# Altium PCB DRS4-PCB.PcbDoc (part 4 of 15)
Units mil, origin at the board's own origin, x right, y up, seen from the top; angles counter-clockwise.
Board outline 12350 x 7411.06 mil, 12 copper layers (Top Layer, Ground Layer 2, Signal Layer 3, Signal Layer 4, Ground Layer 5, Power Layer 6, Ground Layer 7, Ground Layer 8, Power Layer 9, Power Layer 10, Ground Layer 11, Bottom Layer), stack 61.6 mil thick; 1411 components, 1117 nets, 4255 pads, 2550 vias.
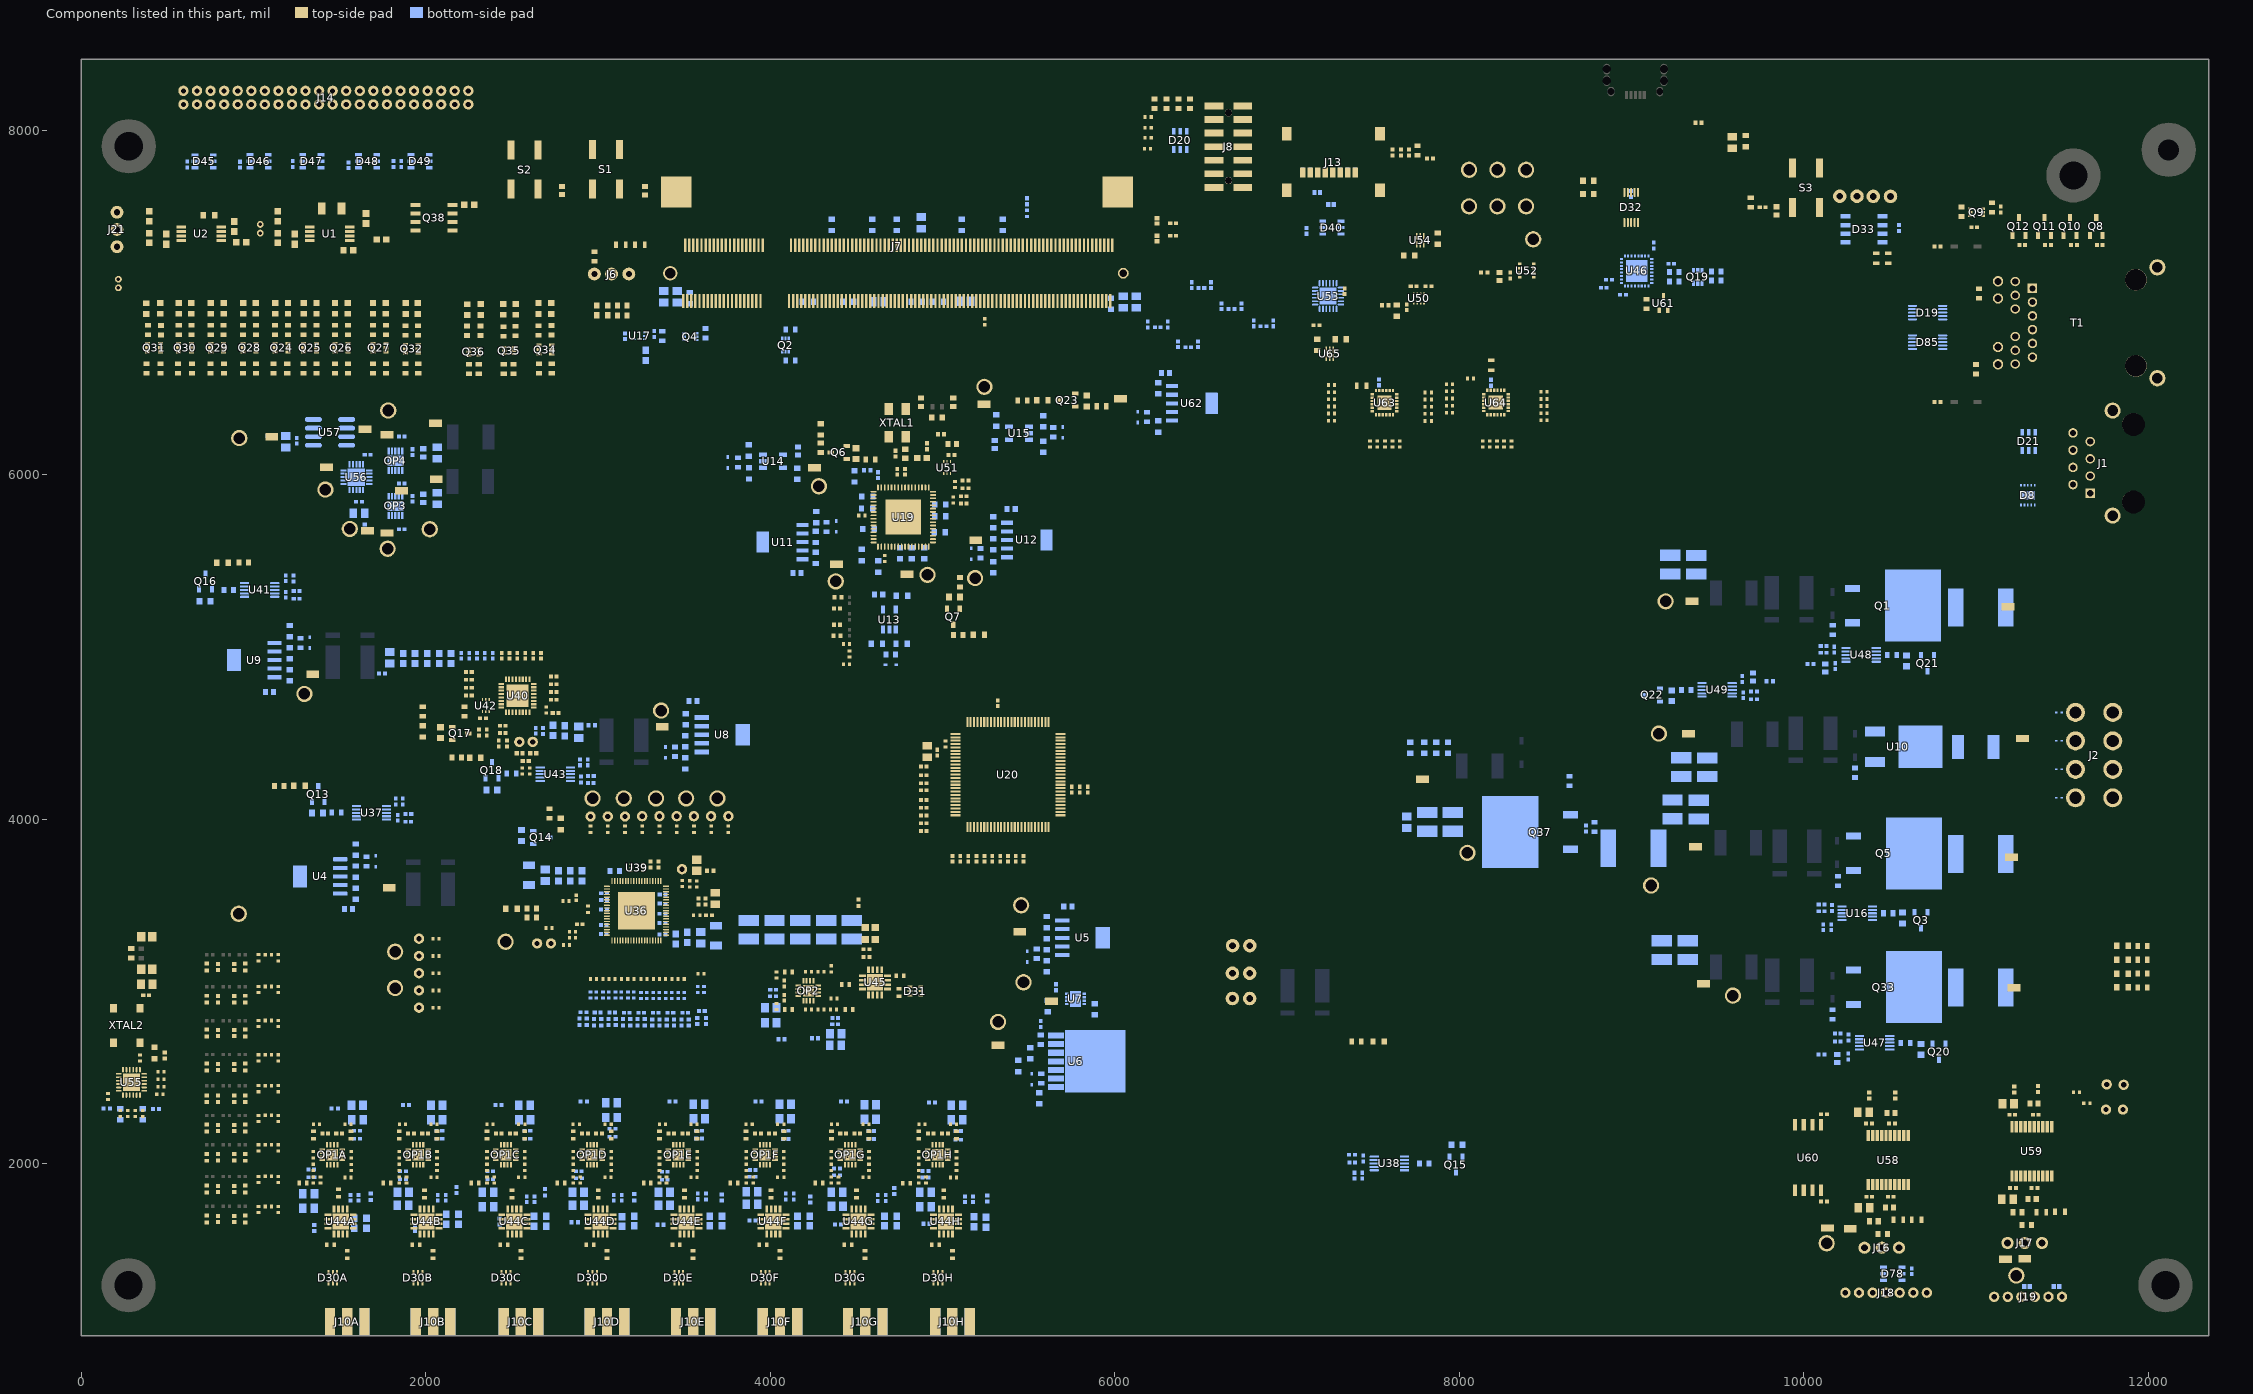
[diagram p14: the components of this part, seen from the top]

## Components (designator, comment, footprint, x,y, rotation, side; value= is the part's Value field where it differs from the comment) (continued)
R336 "1K1 1% 0402" RESC0402(1005)_L#1 8491.61,6398.19 r0 top value="1100.00 Ohm"
R337 "1K1 1% 0402" RESC0402(1005)_L#1 8491.61,6356.85 r0 top value="1100.00 Ohm"
R338 "1K1 1% 0402" RESC0402(1005)_L#1 8491.61,6315.51 r0 top value="1100.00 Ohm"
R339 "1K1 1% 0402" RESC0402(1005)_L#1 8302.67,6177.48 r270 top value="1100.00 Ohm"
R340 "20K 1% 0603" RESC0603(1608)_L 6436.43,8153.35 r90 top value="20000.00 Ohm"
R341 "20K 1% 0603" RESC0603(1608)_L 6299.75,8153.35 r90 top value="20000.00 Ohm"
R342 "49R9 1% 0402" RESC0402(1005)_L#1 5490,7517.4 r90 bottom value="49.90 Ohm"
R343 "1K1 1% 0402" RESC0402(1005)_L#1 2058.14,3106.08 r180 top value="1100.00 Ohm"
R344 "1K1 1% 0402" RESC0402(1005)_L#1 2058.14,3006.08 r180 top value="1100.00 Ohm"
R345 "100R 5% 0402" RESC0402(1005)_L#1 3265.47,3072.2 r0 top value="100.00 Ohm"
R346 "100R 5% 0402" RESC0402(1005)_L#1 3337.8,3072.2 r0 top value="100.00 Ohm"
R347 "100R 5% 0402" RESC0402(1005)_L#1 3409.92,3072.2 r0 top value="100.00 Ohm"
R348 "100R 5% 0402" RESC0402(1005)_L#1 3482.05,3072.2 r0 top value="100.00 Ohm"
R349 "100R 5% 0402" RESC0402(1005)_L#1 3597.14,3102.66 r0 top value="100.00 Ohm"
R350 "33R 1% 0402(1005)" RESC0402(1005)_L#1 356.79,2292.44 r270 top value="33.00 Ohm"
R351 "33R 1% 0402(1005)" RESC0402(1005)_L#1 313.32,2292.44 r270 top value="33.00 Ohm"
R352 "33R 1% 0402(1005)" RESC0402(1005)_L#1 269.84,2292.44 r270 top value="33.00 Ohm"
R353 "33R 1% 0402(1005)" RESC0402(1005)_L#1 226.37,2292.44 r270 top value="33.00 Ohm"
R354 "33R 1% 0402(1005)" RESC0402(1005)_L#1 154.77,2390.1 r270 top value="33.00 Ohm"
R355 "33R 1% 0402(1005)" RESC0402(1005)_L#1 463.2,2533.26 r0 top value="33.00 Ohm"
R356 "33R 1% 0402(1005)" RESC0402(1005)_L#1 463.2,2489.79 r0 top value="33.00 Ohm"
R357 "33R 1% 0402(1005)" RESC0402(1005)_L#1 463.2,2446.31 r0 top value="33.00 Ohm"
R358 "33R 1% 0402(1005)" RESC0402(1005)_L#1 455.12,2402.79 r0 top value="33.00 Ohm"
R359 "RES_DNP_0603" RES_DNP_0603 8185.67,6635.23 r270 top
R360 "Res_ROHM_SFR01MZPF20R0_20_Ohm" Res_ROHM_SFR01MZPF20R0_20_Ohm 5243.98,6887.78 r270 top
R361 "22R 1% 0402" RESC0402(1005)_L#1 2558.66,4280.43 r90 top value="22.00 Ohm"
R362 "100R 5% 0402" RESC0402(1005)_L#1 2814.11,3525.39 r0 top value="100.00 Ohm"
R363 "Res_Vishay_CRCW06030000Z0EAHP_0_Ohm" Res_Vishay_CRCW06030000Z0EAHP_0_Ohm_duplicate 1138.95,7500.87 r90 top
R364 "Res_Vishay_CRCW06030000Z0EAHP_0_Ohm" Res_Vishay_CRCW06030000Z0EAHP_0_Ohm_duplicate 1550.4,7303.27 r180 top
R365 "Res_Vishay_CRCW06030000Z0EAHP_0_Ohm" Res_Vishay_CRCW06030000Z0EAHP_0_Ohm_duplicate 393.55,7500.87 r270 top
R366 "Res_Vishay_CRCW06030000Z0EAHP_0_Ohm" Res_Vishay_CRCW06030000Z0EAHP_0_Ohm_duplicate 927.6,7349.88 r180 top
R367 "Res_Vishay_CRCW06030000Z0EAHP_0_Ohm" Res_Vishay_CRCW06030000Z0EAHP_0_Ohm_duplicate 1138.93,7374.26 r90 top
R368 "Res_Vishay_CRCW06030000Z0EAHP_0_Ohm" Res_Vishay_CRCW06030000Z0EAHP_0_Ohm_duplicate 393.35,7374.25 r90 top
R369 "Res_Vishay_CRCW04020000Z0EDC_0_Ohm" Res_Vishay_CRCW04020000Z0EDC_0_Ohm 6806.85,6878.66 r270 bottom
R370 "Res_Vishay_CRCW04020000Z0EDC_0_Ohm" Res_Vishay_CRCW04020000Z0EDC_0_Ohm 6677.06,6961.48 r180 bottom
R371 "Res_Vishay_CRCW04020000Z0EDC_0_Ohm" Res_Vishay_CRCW04020000Z0EDC_0_Ohm 6734.65,6977.95 r270 bottom
R372 "Res_Vishay_CRCW04020000Z0EDC_0_Ohm" Res_Vishay_CRCW04020000Z0EDC_0_Ohm 6618.91,6978.21 r270 bottom
R373 "Res_Vishay_CRCW04020000Z0EDC_0_Ohm" Res_Vishay_CRCW04020000Z0EDC_0_Ohm 6501.97,7083.93 r180 bottom
R374 "Res_Vishay_CRCW04020000Z0EDC_0_Ohm" Res_Vishay_CRCW04020000Z0EDC_0_Ohm 6558.23,7100.67 r270 bottom
R375 "Res_Vishay_CRCW04020000Z0EDC_0_Ohm" Res_Vishay_CRCW04020000Z0EDC_0_Ohm 6445.63,7100.67 r270 bottom
R376 "Res_Vishay_CRCW04020000Z0EDC_0_Ohm" Res_Vishay_CRCW04020000Z0EDC_0_Ohm 6425.76,6740.11 r180 bottom
R377 "Res_Vishay_CRCW04020000Z0EDC_0_Ohm" Res_Vishay_CRCW04020000Z0EDC_0_Ohm 6482.43,6756.85 r270 bottom
R378 "Res_Vishay_CRCW04020000Z0EDC_0_Ohm" Res_Vishay_CRCW04020000Z0EDC_0_Ohm 6366.68,6756.85 r270 bottom
R379 "Res_Vishay_CRCW04020000Z0EDC_0_Ohm" Res_Vishay_CRCW04020000Z0EDC_0_Ohm 6248.39,6855.81 r180 bottom
R380 "Res_Vishay_CRCW04020000Z0EDC_0_Ohm" Res_Vishay_CRCW04020000Z0EDC_0_Ohm 6306.8,6872.25 r270 bottom
R381 "Res_Vishay_CRCW04020000Z0EDC_0_Ohm" Res_Vishay_CRCW04020000Z0EDC_0_Ohm 6191.06,6872.25 r270 bottom
R382 "1K1 1% 0402" RESC0402(1005)_L#1 7220.47,7756.72 r90 bottom value="1100.00 Ohm"
R383 "1K1 1% 0402" RESC0402(1005)_L#1 7134.62,7756.72 r90 bottom value="1100.00 Ohm"
R384 "1K1 1% 0402" RESC0402(1005)_L#1 7090.55,7756.72 r90 bottom value="1100.00 Ohm"
R385 "1K1 1% 0402" RESC0402(1005)_L#1 7393.61,7756.72 r90 bottom value="1100.00 Ohm"
R386 "1K1 1% 0402" RESC0402(1005)_L#1 7350.21,7756.72 r90 bottom value="1100.00 Ohm"
R387 "1K1 1% 0402" RESC0402(1005)_L#1 7307.09,7756.72 r90 bottom value="1100.00 Ohm"
R388 "Res_Vishay_CRCW06030000Z0EAHP_0_Ohm" Res_Vishay_CRCW06030000Z0EAHP_0_Ohm_duplicate 2251.51,7566.58 r180 top
R389 "Res_Vishay_CRCW06030000Z0EAHP_0_Ohm" Res_Vishay_CRCW06030000Z0EAHP_0_Ohm_duplicate 1742.43,7365.31 r180 top
S1 "SPDT_C&K_KSC421J70SHLFSPF_50mA" SPDT_C&K_KSC421J70SHLFSPF_50mA 2966.44,7659.28 r90 top
S2 "SPDT_C&K_KSC421J70SHLFSPF_50mA" SPDT_C&K_KSC421J70SHLFSPF_50mA 2493.76,7657.4 r90 top
S3 "SPDT_C&K_KSC421J70SHLFSPF_50mA" SPDT_C&K_KSC421J70SHLFSPF_50mA 10091.08,7779.27 r270 top
T1 "7499111221A" 7499111221A 11707.14,6882 r90 top
TP1 "TP_Harwin_S2761_46R" TP_Harwin_S2761_46R#1 11185.61,5233.24 r180 bottom locked
TP2 "TP_Harwin_S2761_46R" TP_Harwin_S2761_46R#2 9349.31,5265.52 r180 top
TP3 "TP_Keystone_Electronics_5006" TP_Keystone_Electronics_5006 9197.13,5264.75 r180 top
TP4 "TP_Harwin_S2761_46R" TP_Harwin_S2761_46R#2 9371.54,3839.8 r0 top
TP5 "TP_Harwin_S2761_46R" TP_Harwin_S2761_46R#3 11205.58,3799.37 r180 bottom locked
TP6 "TP_Keystone_Electronics_5006" TP_Keystone_Electronics_5006 9112.38,3615.04 r0 top
TP7 "TP_Harwin_S2761_46R" TP_Harwin_S2761_46R#4 11328.74,3020.45 r180 bottom locked
TP8 "TP_Harwin_S2761_46R" TP_Harwin_S2761_46R#2 9416.5,3044.24 r0 top
TP9 "TP_Keystone_Electronics_5006" TP_Keystone_Electronics_5006 9587.87,2975.83 r0 top
TP10 "TP_Harwin_S2761_46R" TP_Harwin_S2761_46R#5 1768.21,3602.65 r0 bottom locked
TP11 "TP_Keystone_Electronics_5006" TP_Keystone_Electronics_5006 1821.49,3230.63 r180 top
TP12 "TP_Harwin_S2761_46R" TP_Harwin_S2761_46R#1 5447.32,3346.6 r180 bottom locked
TP13 "TP_Keystone_Electronics_5006" TP_Keystone_Electronics_5006 5455.6,3500.29 r0 top
TP14 "TP_Harwin_S2761_46R" TP_Harwin_S2761_46R#1 5630.96,2942.02 r180 bottom locked
TP15 "TP_Keystone_Electronics_5006" TP_Keystone_Electronics_5006 5469.43,3053.18 r0 top
TP16 "TP_Harwin_S2761_46R" TP_Harwin_S2761_46R#1 5321.04,2688.33 r180 bottom locked
TP17 "TP_Keystone_Electronics_5006" TP_Keystone_Electronics_5006 5321.47,2822.95 r0 top
TP18 "TP_Keystone_Electronics_5006" TP_Keystone_Electronics_5006 1821.05,3019.81 r90 top
TP19 "TP_Harwin_S2761_46R" TP_Harwin_S2761_46R#6 3372.24,4557.28 r180 bottom locked
TP20 "TP_Keystone_Electronics_5006" TP_Keystone_Electronics_5006 3365.37,4630.83 r0 top locked
TP21 "TP_Harwin_S2761_46R" TP_Harwin_S2761_46R#7 1325.94,4842.36 r180 bottom locked
TP22 "TP_Keystone_Electronics_5006" TP_Keystone_Electronics_5006 1294.67,4727.24 r0 top
TP23 "TP_Harwin_S2761_46R" TP_Harwin_S2761_46R#8 11269.78,4428.05 r180 bottom locked
TP24 "TP_Harwin_S2761_46R" TP_Harwin_S2761_46R#2 9328.98,4496.08 r0 top
TP25 "TP_Keystone_Electronics_5006" TP_Keystone_Electronics_5006 9158.36,4496.98 r0 top
TP26 "TP_Harwin_S2761_46R" TP_Harwin_S2761_46R#2 4383.65,5480.9 r0 top
TP27 "TP_Keystone_Electronics_5006" TP_Keystone_Electronics_5006 4281.9,5932.97 r0 top
TP28 "TP_Harwin_S2761_46R" TP_Harwin_S2761_46R#9 5202.09,5620.62 r180 top
TP29 "TP_Keystone_Electronics_5006" TP_Keystone_Electronics_5006 4379.45,5380.61 r180 top
TP30 "TP_Harwin_S2761_46R" TP_Harwin_S2761_46R#2 4793.76,5421.47 r0 top
TP31 "TP_Keystone_Electronics_5006" TP_Keystone_Electronics_5006 4911.97,5418.63 r0 top
TP32 "TP_Harwin_S2761_46R" TP_Harwin_S2761_46R#2 4255.76,6039.68 r0 top
TP33 "TP_Keystone_Electronics_5006" TP_Keystone_Electronics_5006 5188.21,5399.66 r0 top
TP34 "TP_Harwin_S2761_46R" TP_Harwin_S2761_46R#2 5240.22,6408.36 r180 top
TP35 "TP_Keystone_Electronics_5006" TP_Keystone_Electronics_5006 5242.42,6510.05 r180 top
TP36 "TP_Harwin_S2761_46R" TP_Harwin_S2761_46R#10 7785.81,3814.47 r180 bottom locked
TP37 "TP_Keystone_Electronics_5006" TP_Keystone_Electronics_5006 8046.82,3804.64 r180 bottom locked
TP38 "TP_Keystone_Electronics_5006" TP_Keystone_Electronics_5006 2967.58,4120.67 r0 top
TP39 "TP_Keystone_Electronics_5006" TP_Keystone_Electronics_5006 3148.89,4120.67 r0 top
TP40 "TP_Keystone_Electronics_5006" TP_Keystone_Electronics_5006 8055.91,7770.07 r180 top
TP41 "TP_Keystone_Electronics_5006" TP_Keystone_Electronics_5006 8220.94,7770.07 r0 top
TP42 "TP_Keystone_Electronics_5006" TP_Keystone_Electronics_5006 3335.86,4120.67 r0 top
TP43 "TP_Keystone_Electronics_5006" TP_Keystone_Electronics_5006 3510.95,4120.67 r0 top
TP44 "TP_Keystone_Electronics_5006" TP_Keystone_Electronics_5006 2462.8,3288.48 r90 top
TP45 "TP_TE_Connectivity_5-146280-1_1POS" TP_TE_Connectivity_5-146280-1_1POS#1 11762.09,2449.86 r0 top
TP46 "TP_TE_Connectivity_5-146280-1_1POS" TP_TE_Connectivity_5-146280-1_1POS#2 11754.66,2314.4 r180 top
TP47 "TP_TE_Connectivity_5-146280-1_1POS" TP_TE_Connectivity_5-146280-1_1POS#3 11859.9,2458.22 r0 top
TP48 "TP_TE_Connectivity_5-146280-1_1POS" TP_TE_Connectivity_5-146280-1_1POS#4 11852,2314.02 r180 top
TP49 "TP_TE_Connectivity_5-146280-1_1POS" TP_TE_Connectivity_5-146280-1_1POS#5 2544.61,4500.53 r90 top
TP50 "TP_TE_Connectivity_5-146280-1_1POS" TP_TE_Connectivity_5-146280-1_1POS#6 2620.35,4496.88 r90 top
TP51 "TP_Keystone_Electronics_5006" TP_Keystone_Electronics_5006 8387.04,7770.07 r0 top
TP52 "TP_Keystone_Electronics_5006" TP_Keystone_Electronics_5006 8055.91,7557.72 r180 top
TP53 "TP_Keystone_Electronics_5006" TP_Keystone_Electronics_5006 8220.94,7557.72 r180 top
TP54 "TP_Keystone_Electronics_5006" TP_Keystone_Electronics_5006 8387.04,7557.71 r180 top
TP55 "TP_Keystone_Electronics_5006" TP_Keystone_Electronics_5006 8428.3,7366.46 r90 top
TP57 "TP_TE_Connectivity_5-146280-1_1POS" TP_TE_Connectivity_5-146280-1_1POS#7 1960.83,3106.81 r0 top
TP58 "TP_TE_Connectivity_5-146280-1_1POS" TP_TE_Connectivity_5-146280-1_1POS#8 1958.09,3006.08 r0 top
TP59 "TP_TE_Connectivity_5-146280-1_1POS" TP_TE_Connectivity_5-146280-1_1POS#9 2735.02,3283.96 r90 top
TP60 "TP_TE_Connectivity_5-146280-1_1POS" TP_TE_Connectivity_5-146280-1_1POS#10 2645.65,3278.69 r90 top
TP61 "TP_TE_Connectivity_5-146280-1_1POS" TP_TE_Connectivity_5-146280-1_1POS#11 3155.91,4017.18 r270 top
TP62 "TP_TE_Connectivity_5-146280-1_1POS" TP_TE_Connectivity_5-146280-1_1POS#10 3487.05,3709.76 r0 top
TP63 "TP_TE_Connectivity_5-146280-1_1POS" TP_TE_Connectivity_5-146280-1_1POS#12 3555.89,4120.21 r270 top
TP64 "TP_TE_Connectivity_5-146280-1_1POS" TP_TE_Connectivity_5-146280-1_1POS#10 2955.91,4015.77 r270 top
TP65 "TP_TE_Connectivity_5-146280-1_1POS" TP_TE_Connectivity_5-146280-1_1POS#10 3055.91,4015.77 r270 top
TP66 "TP_TE_Connectivity_5-146280-1_1POS" TP_TE_Connectivity_5-146280-1_1POS#13 1959.38,3373.48 r270 top
TP67 "TP_TE_Connectivity_5-146280-1_1POS" TP_TE_Connectivity_5-146280-1_1POS#14 1960.1,3288.08 r270 top
TP68 "TP_Keystone_Electronics_5006" TP_Keystone_Electronics_5006 3692.45,4120.68 r0 top
TP72 "TP_Harwin_S2761_46R" TP_Harwin_S2761_46R#11 972.36,6247.46 r180 bottom locked
TP73 "TP_Harwin_S2761_46R" TP_Harwin_S2761_46R#12 1773.94,5665.98 r180 bottom locked
TP74 "TP_Harwin_S2761_46R" TP_Harwin_S2761_46R#13 1963.11,5746.76 r180 bottom locked
TP76 "TP_Harwin_S2761_46R" TP_Harwin_S2761_46R#1 1774.25,6231.6 r180 bottom locked
TP78 "TP_Harwin_S2761_46R" TP_Harwin_S2761_46R#14 1424.97,6007.82 r180 bottom locked
TP79 "TP_Harwin_S2761_46R" TP_Harwin_S2761_46R#15 651.92,5626.17 r180 top locked
TP80 "TP_Harwin_S2761_46R" TP_Harwin_S2761_46R#2 1647.23,6263.71 r0 top
TP81 "TP_Harwin_S2761_46R" TP_Harwin_S2761_46R#16 2050.73,5973.6 r0 top
TP82 "TP_Harwin_S2761_46R" TP_Harwin_S2761_46R#17 2055.51,6259.2 r180 bottom locked
TP83 "TP_Keystone_Electronics_5006" TP_Keystone_Electronics_5006 1558.38,5685.36 r0 bottom locked
TP84 "TP_Keystone_Electronics_5006" TP_Keystone_Electronics_5006 916.65,6212.53 r0 top
TP85 "TP_Keystone_Electronics_5006" TP_Keystone_Electronics_5006 1781.42,6372.69 r0 top
TP86 "TP_Keystone_Electronics_5006" TP_Keystone_Electronics_5006 2022.21,5683.58 r0 top
TP87 "TP_Keystone_Electronics_5006" TP_Keystone_Electronics_5006 1416.82,5913.66 r0 top
TP88 "TP_Keystone_Electronics_5006" TP_Keystone_Electronics_5006 1777.9,5570.27 r180 top
TP89 "TP_Harwin_S2761_46R" TP_Harwin_S2761_46R#18 10136.45,1626.03 r180 top
TP90 "TP_Harwin_S2761_46R" TP_Harwin_S2761_46R#19 11277.93,1447.07 r0 top
TP91 "TP_Harwin_S2761_46R" TP_Harwin_S2761_46R#20 10260.42,1616.52 r180 top
TP92 "TP_Harwin_S2761_46R" TP_Harwin_S2761_46R#21 11180.52,1446.3 r180 top
TP93 "TP_Keystone_Electronics_5006" TP_Keystone_Electronics_5006 10132.12,1538.09 r180 top
TP94 "TP_Keystone_Electronics_5006" TP_Keystone_Electronics_5006 11233.43,1350.92 r0 top
TP95 "TP_Harwin_S2761_46R" TP_Harwin_S2761_46R#22 5909.43,6569.48 r180 top
TP96 "TP_Keystone_Electronics_5006" TP_Keystone_Electronics_5006 913.6,3450.79 r0 top
TP97 "TP_TE_Connectivity_5-146280-1_1POS" TP_TE_Connectivity_5-146280-1_1POS#15 1960.1,2898.64 r90 top
TP98 "TP_TE_Connectivity_5-146280-1_1POS" TP_TE_Connectivity_5-146280-1_1POS#16 3489.28,4033.15 r90 top
TP99 "TP_TE_Connectivity_5-146280-1_1POS" TP_TE_Connectivity_5-146280-1_1POS#17 3876.12,3908.58 r90 top
TP100 "TP_TE_Connectivity_5-146280-1_1POS" TP_TE_Connectivity_5-146280-1_1POS#18 3354.56,3979.68 r90 top
TP101 "TP_TE_Connectivity_5-146280-1_1POS" TP_TE_Connectivity_5-146280-1_1POS#19 3256.65,4042.5 r90 top
TP102 "TP_TE_Connectivity_5-146280-1_1POS" TP_TE_Connectivity_5-146280-1_1POS#20 3655.91,3916.76 r90 top
U1 "PMU_Texas_Instruments_TLC7733IPWR_2.93" PMU_Texas_Instruments_TLC7733IPWR_2.93 1442.02,7399.02 r0 top
U2 "PMU_Texas_Instruments_TLC7733IPWR_2.93" PMU_Texas_Instruments_TLC7733IPWR_2.93 696.44,7399.02 r0 top
U4 "TPS79525DCQR" DCQ0006A_N 1385.6,3667.5 r180 bottom
U5 "TPS79525DCQR" DCQ0006A_N 5811.91,3311.5 r0 bottom
U6 "LDO_Microchip_MIC69502WR-TR_ADJ" LDO_Microchip_MIC69502WR-TR_ADJ 5886.19,2594.27 r90 bottom
U7 "LDO_Analog_Devices_ADM7170ACPZ-2.5-R7_2.5V" LDO_Analog_Devices_ADM7170ACPZ-2.5-R7_2.5V 5771.13,2956.8 r0 bottom
U8 "TPS79530DCQR" TI-DCQ6_N 3720.1,4490.33 r0 bottom
U9 "TPS79525DCQR" DCQ0006A_N 1003.29,4924.11 r180 bottom
U10 "STD30NF06LT4" DPAK 10678.03,4420.71 r90 bottom value=Value
U11 "TPS78618DCQ" DCQ0006A_L 4070.56,5609.1 r180 bottom
U12 "TPS79425DCQR" DCQ0006A_L 5488.27,5620.91 r0 bottom
U13 "TPS79333DBVREP" DBV0005A_M 4691.24,5158.39 r90 bottom
U14 "TPS79333DBVREP" DBV0005A_M 4015.64,6078.27 r0 bottom
U15 "TPS79333DBVREP" DBV0005A_M 5444.28,6241.08 r180 bottom
U16 "INA226AQDGSRQ1" INA226AQDGSRQ1 10309.67,3453.97 r180 bottom
U17 "IC_ROHM_BU4230FVE-TR" IC_ROHM_BU4230FVE-TR 3240.36,6805.69 r180 bottom
U19 "IC_Silicon_Laboratories_ SI5395A-A-GM_CLK" Si5395 4771.96,5754.22 r270 top
U20 "IC_Cypress_Semiconductor_CY8C9560A-24AXI" IC_Cypress_Semiconductor_CY8C9560A-24AXI 5379.21,4259.13 r270 top
U36 "IC_PSI_DRS4" DRS4 3222.53,3468.79 r90 top
U37 "INA226AQDGSRQ1" INA226AQDGSRQ1 1684.49,4036.82 r0 bottom
U38 "INA226AQDGSRQ1" INA226AQDGSRQ1 7593.38,2001.32 r180 bottom
U39 "TMP112AIDRLR" TMP112AIDRLR 3224.56,3718.54 r0 top
U40 "AD9245" CP_32_2 2532.72,4716.73 r180 top
U41 "INA226AQDGSRQ1" INA226AQDGSRQ1 1035.01,5330.71 r0 bottom
U42 "TMP112AIDRLR" TMP112AIDRLR 2347.93,4659.94 r270 top
U43 "INA226AQDGSRQ1" INA226AQDGSRQ1 2751.54,4261.21 r0 bottom
U44A "HMC849" CP_16_40 1505.24,1664.68 r270 top (schematic designator U44)
U44B "HMC849" CP_16_40 2003.94,1664.68 r270 top (schematic designator U44)
U44C "HMC849" CP_16_40 2513.58,1664.68 r270 top (schematic designator U44)
U44D "HMC849" CP_16_40 3013.54,1664.68 r270 top (schematic designator U44)
U44E "HMC849" CP_16_40 3513.39,1664.68 r270 top (schematic designator U44)
U44F "HMC849" CP_16_40 4017.1,1664.68 r270 top (schematic designator U44)
U44G "HMC849" CP_16_40 4511.61,1664.68 r270 top (schematic designator U44)
U44H "HMC849" CP_16_40 5019.14,1664.68 r270 top (schematic designator U44)
U45 "HMC849" CP_16_40 4607.57,3052.75 r0 top
U46 "IC_FTDI_FT232RQ-REEL" IC_FTDI_FT232RQ-REEL 9029.53,7183.07 r0 bottom
U47 "INA226AQDGSRQ1" INA226AQDGSRQ1 10410.89,2702.82 r180 bottom
U48 "INA226AQDGSRQ1" INA226AQDGSRQ1 10332.34,4953.43 r180 bottom
U49 "INA226AQDGSRQ1" INA226AQDGSRQ1 9496.18,4750.49 r0 bottom
U50 "LIS3MDLTR" LIS3MDLTR 7765.3,7022.94 r180 top
U51 "TMP112AIDRLR" TMP112AIDRLR 5025.65,6040.96 r90 top
U52 "BME280" BME280 8390.59,7185.21 r0 top
U53 "IC_TXS02612RTWR_SD_Level_Shifter" IC_TXS02612RTWR_SD_Level_Shifter 7237.44,7037 r90 bottom
U54 "LDO_Texas_Instruments_TLV70218QDSERQ1_300mA" LDO_Texas_Instruments_TLV70218QDSERQ1_300mA 7772.8,7361.53 r270 top
U55 "SI53362-B-GM" Si53362 290.9,2472.3 r180 top
U56 "AD5675" CP_20_8 1596.28,5985.98 r90 bottom value=Value
U57 "ADR4520BRZ-R7" ADI-R-8_M 1443.31,6245.67 r0 bottom
U58 "IC_Analog_Devices_ADM3260ARSZ-RL7_I2C_Isolator" IC_Analog_Devices_ADM3260ARSZ-RL7_I2C_Isolator 10489.49,2021.38 r270 top
U59 "IC_Analog_Devices_ADM3260ARSZ-RL7_I2C_Isolator" IC_Analog_Devices_ADM3260ARSZ-RL7_I2C_Isolator 11323.35,2071.38 r270 top
U60 "IC_Analog_Devices_ADUM226N0BRIZ_2CH_Isolator" IC_Analog_Devices_ADUM226N0BRIZ_2CH_Isolator 10024.13,2035.94 r270 top
U61 "LDO_Microchip_MCP1812AT-018_1V8" LDO_Microchip_MCP1812AT-018_1V8 9184.8,6996.53 r90 top
U62 "TPS79525DCQR" DCQ0006A_L 6446.69,6414.23 r0 bottom
U63 "IC_NXP_PCA9548ABS,118_I2C_8Channel" IC_NXP_PCA9548ABS,118_I2C_8Channel 7563.34,6416.84 r0 top
U64 "IC_NXP_PCA9548ABS,118_I2C_8Channel" IC_NXP_PCA9548ABS,118_I2C_8Channel 8209.8,6417.91 r0 top
U65 "LDO_Texas_Instruments_TLV70218QDSERQ1_300mA" LDO_Texas_Instruments_TLV70218QDSERQ1_300mA 7247.33,6701.07 r90 top
XTAL1 "TCXO_Murata_XTCLH50M000CHJA3P0_50MHz" TCXO_Murata_XTCLH50M000CHJA3P0_50MHz 4736.46,6302.74 r270 top
XTAL2 "AST3TQ-28 TCXO 25 MHz" XTAL_ASDM1-25.000MHZ-LC-T 263.21,2802.44 r270 top

## Footprints (in the part's own frame and the unit in brackets; to place one, negate y for a bottom-side part, rotate by r counter-clockwise, add the part's x,y. Pads: shape width x height; smd on the part's side, far side on the other; paste and mask are expansions set on the pad)
5V_ESD_Littlefuse_SP1212-01ETG_30kV [mm]
  rect 0.65x0.75 smd: 1(-0.4,0) 2(0.4,0)
  silkscreen extent -0.99,0.54 -0.89,0.64, body extent -0.5,-0.35 0.5,0.35, height 0.6
7499111221A [mm] "LAN Transformer, body 33.02x16.79mm"
  rect 1.4x1.4 hole 0.89: 1(5.075,9.66)
  round 1.4 hole 0.89: 2(3.045,9.66) 3(1.015,9.66) 4(-1.015,9.66) 5(-3.045,9.66) 6(-5.075,9.66) 7(6.085,12.2) 8(4.055,12.2) 9(2.025,12.2) 10(-2.025,12.2) 11(-4.055,12.2) 12(-6.085,12.2)
  round 1.53 hole 1.03: 13(6.12,14.74) 14(3.58,14.74) 15(-3.58,14.74) 16(-6.12,14.74)
  round 3.2 hole 3.2 unplated: MH1(-6.35,-5.58) MH2(6.35,-5.58)
  round 2.4 hole 1.57: S1(-8.175,-8.76) S2(8.175,-8.76)
  silkscreen extent -9.66,-16.61 9.66,16.61, body extent -9.68,-16.51 9.69,16.51, height 16.02
ADI-R-8_M [mm] "SOIC, 8-Leads, Body 4.9x3.9mm, Pitch 1.27mm, IPC Low Density"
  oval 2.5x0.7 smd: 1(-2.45,1.905) 2(-2.45,0.635) 3(-2.45,-0.635) 4(-2.45,-1.905) 5(2.45,-1.905) 6(2.45,-0.635) 7(2.45,0.635) 8(2.45,1.905)
  silkscreen extent -2.57,-2.5 0.8,2.93, body extent -2,-2.5 2,2.5, height 1.75
Bel_0ZCF_MFG [mm]
  rect 2.3x5.6 smd paste+0 mask+0: 1(-3.7,0) 2(3.7,0)
  silkscreen extent -2.17,-2.72 2.17,2.72, body extent -3.68,-2.56 3.68,2.56, height 0.65
Bel_0ZCG_MFG [mm]
  rect 1.78x3.5 smd paste+0 mask+0: 1(-2.615,0) 2(2.615,0)
  silkscreen extent -1.35,-1.71 1.35,1.71, body extent -2.27,-1.62 2.28,1.62, height 0.6
BJT_PNP_Toshiba_TMBT3906#1 [mm]
  rect 0.95x0.6 smd: 1(-1.175,0.95) 2(-1.175,-0.95) 3(1.175,0)
  silkscreen extent -1.3,-1.5 0.7,1.92, body extent -1.3,-1.5 1.3,1.5, height 1
BJT_PNP_Toshiba_TMBT3906#2 [mm]
  rect 0.95x0.6 smd: 1(-1.175,0.95) 2(-1.175,-0.947) 3(1.175,0)
  silkscreen extent -1.3,-1.5 0.7,1.92, body extent -1.3,-1.5 1.3,1.5, height 1
BJT_ROHM_EMT52T2R_100mA_PNP [mm] "Bipolar Transistors - BJT Bipolar Transistor SOT-563 SC-107C EMT6"
  rect 0.7x0.35 smd: 1(-0.725,0.5) 2(-0.725,0) 3(-0.725,-0.5) 4(0.725,-0.5) 5(0.725,0) 6(0.725,0.5)
  silkscreen extent -0.85,-0.85 0.1,1.35, body extent -0.8,-0.85 0.8,0.85, height 0.55
BJT_ROHM_US6X8TR_1A_NPN [mm] "Bipolar Transistors - BJT NPN+NPN 30VCEO 1A SOT-363T"
  rect 0.75x0.45 smd: 1(-0.95,0.65) 2(-0.95,0) 3(-0.95,-0.65) 4(0.95,-0.65) 5(0.95,0) 6(0.95,0.65)
  silkscreen extent -1.07,-1.05 0.2,1.55, body extent -1.05,-1.05 1.05,1.05, height 0.85
BME280 [mm]
  rect 0.5x0.35 smd: 1(1.016,0.975) 2(1.016,0.325) 3(1.016,-0.325) 4(1.016,-0.975) 5(-1.016,-0.975) 6(-1.016,-0.325) 7(-1.016,0.325) 8(-1.016,0.975)
  silkscreen extent 1.08,1.78 1.33,2.02, body extent -1.25,-1.25 1.25,1.25, height 1
Cap_Kemet_C0603C101J5RACTU_100pF [mm]
  rect 1.05x1 smd: 1(-0.75,0) 2(0.75,0)
  body extent -0.87,-0.48 0.88,0.48, height 0.8